# Altium PCB PCB1.PcbDoc (part 4 of 5) (continued)
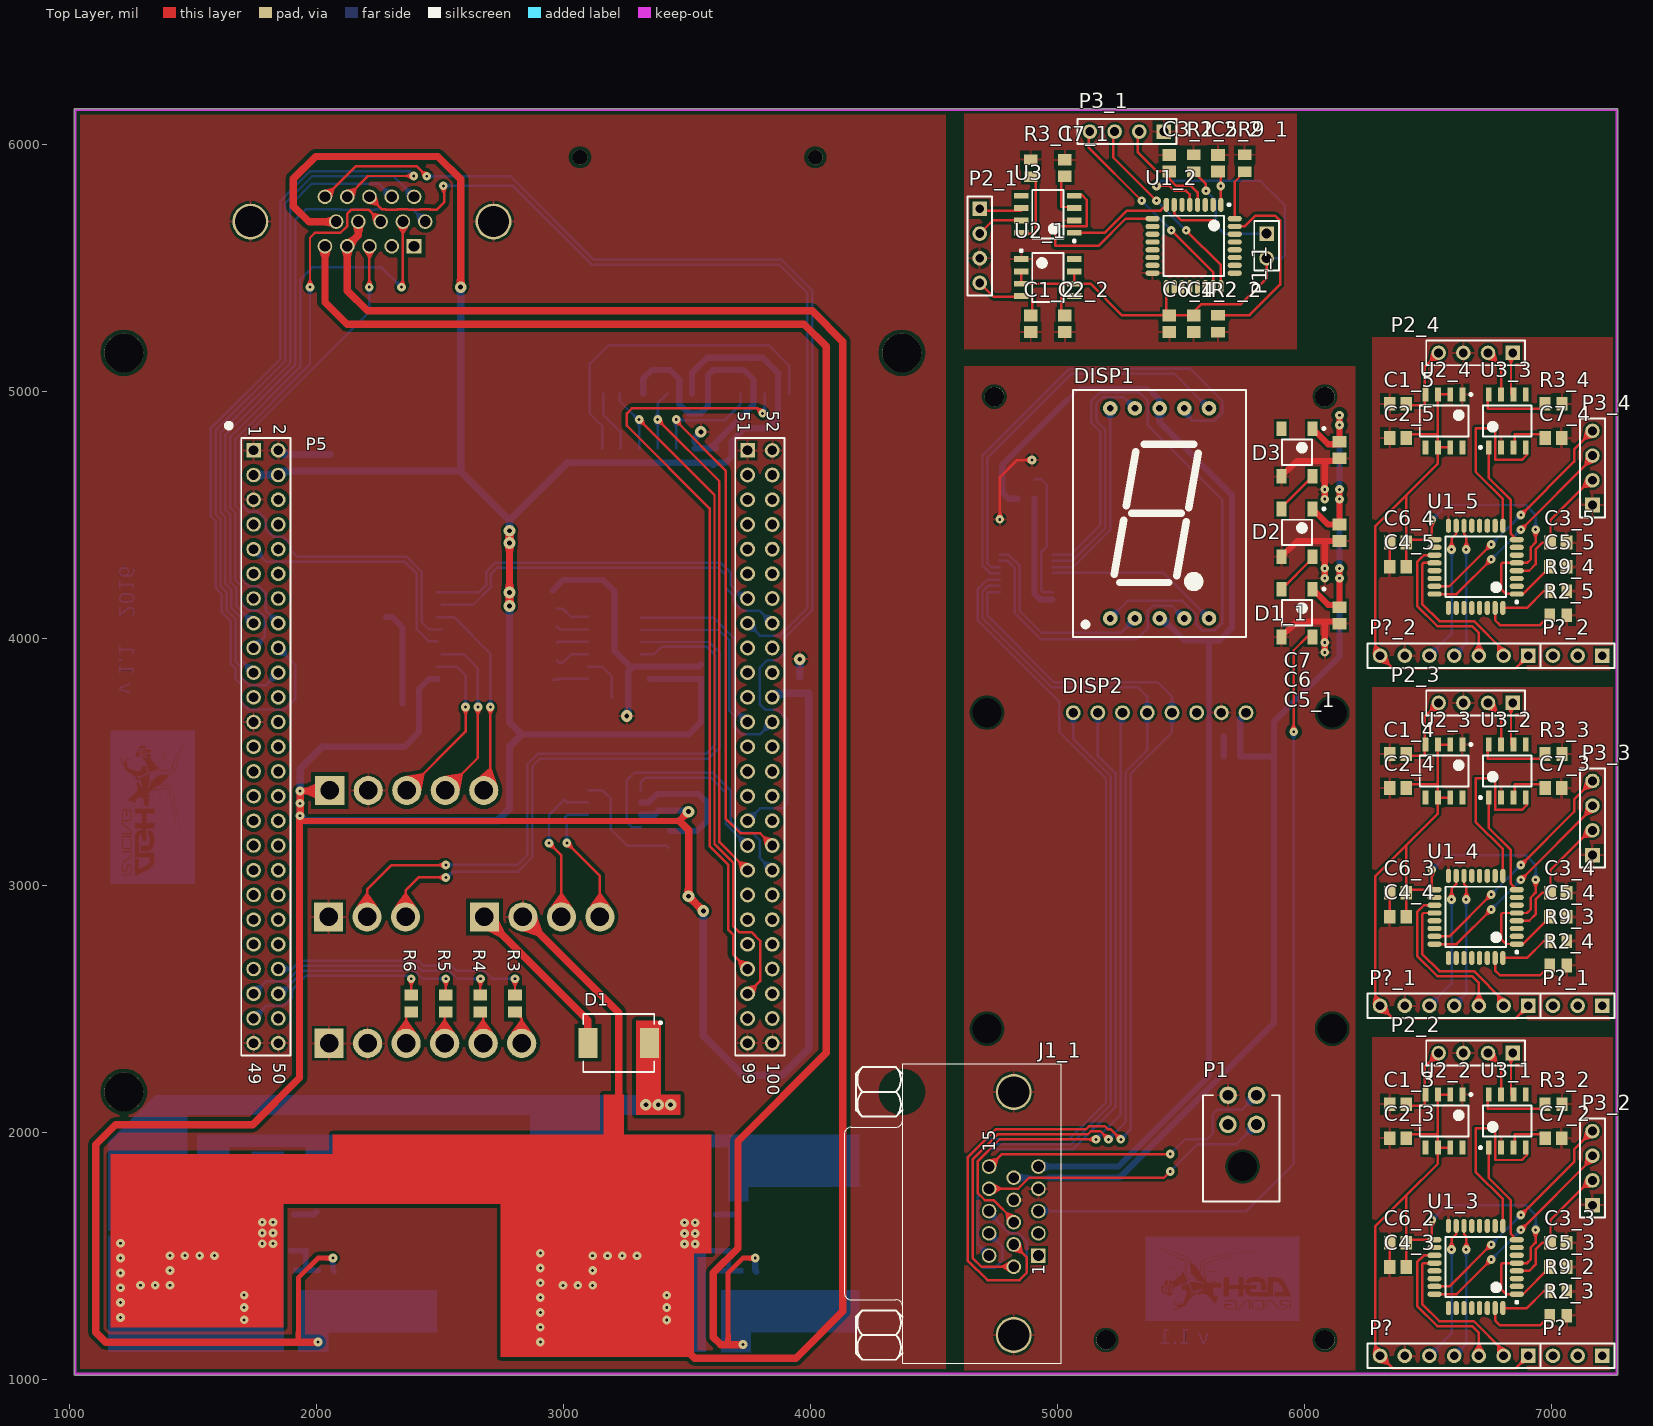
[diagram p0: Top Layer view]
## Nets (pads, with @x,y where several pads share a name; then routed paths per layer and width w, separated by ;. In a path a pad name is that pad's centre, name@x,y a point inside that pad or via, vN(x,y) a via of type N, cw(c..) or ccw(c..) an arc to the next point about the centre after c; other vN are vias at no path point) (continued)
5671.7,1401.62 ; 5622.7,1400.62 5636.7,1400.62 ; 5623.7,1399.62 5635.7,1399.62 ; 5623.7,1437.62 5638.7,1437.62 ; 5623.7,1477.62 5978.7,1477.62 ; 5624.7,1317.62 5627.7,1317.62 ; 5624.7,1397.62 5634.7,1397.62 ; 5624.7,1398.62 5635.7,1398.62 ; 5624.7,1493.62 5661.7,1493.62 ; 5626.7,1396.62 5632.7,1396.62 ; 5626.7,1478.62 5978.7,1478.62 ; 5627.7,1395.62 5628.7,1395.62 ; 5627.7,1494.62 5665.7,1494.62 ; 5629.7,1355.62 5671.7,1355.62 ; 5629.7,1356.62 5671.7,1356.62 ; 5629.7,1357.62 5671.7,1357.62 ; 5629.7,1358.62 5671.7,1358.62 ; 5629.7,1359.62 5671.7,1359.62 ; 5629.7,1360.62 5671.7,1360.62 ; 5629.7,1361.62 5671.7,1361.62 ; 5629.7,1362.62 5671.7,1362.62 ; 5629.7,1363.62 5671.7,1363.62 ; 5629.7,1479.62 5978.7,1479.62 ; 5630.7,1353.62 5671.7,1353.62 ; 5630.7,1354.62 5671.7,1354.62 ; 5630.7,1364.62 5671.7,1364.62 ; 5630.7,1365.62 5651.7,1365.62 ; 5630.7,1366.62 5650.7,1366.62 ; 5631.7,1351.62 5671.7,1351.62 ; 5631.7,1352.62 5671.7,1352.62 ; 5631.7,1367.62 5650.7,1367.62 ; 5631.7,1388.62 5635.7,1388.62 ; 5631.7,1389.62 5633.7,1389.62 ; 5631.7,1390.62 5632.7,1390.62 ; 5631.7,1495.62 5670.7,1495.62 ; 5632.7,1349.62 5671.7,1349.62 ; 5632.7,1350.62 5671.7,1350.62 ; 5632.7,1368.62 5650.7,1368.62 ; 5632.7,1369.62 5650.7,1369.62 ; 5633.7,1348.62 5671.7,1348.62 ; 5633.7,1370.62 5650.7,1370.62 ; 5633.7,1442.62 5978.7,1442.62 ; 5633.7,1480.62 5978.7,1480.62 ; 5634.7,1346.62 5671.7,1346.62 ; 5634.7,1347.62 5671.7,1347.62 ; 5635.7,1344.62 5645.7,1344.62 ; 5635.7,1345.62 5671.7,1345.62 ; 5635.7,1371.62 5650.7,1371.62 ; 5635.7,1496.62 5675.7,1496.62 ; 5636.7,1342.62 5643.7,1342.62 ; 5636.7,1343.62 5644.7,1343.62 ; 5636.7,1481.62 5978.7,1481.62 ; 5637.7,1313.62 5638.7,1313.62 ; 5637.7,1341.62 5643.7,1341.62 ; 5637.7,1372.62 5650.7,1372.62 ; 5638.7,1307.62 5642.7,1307.62 ; 5638.7,1308.62 5641.7,1308.62 ; 5638.7,1309.62 5640.7,1309.62 ; 5638.7,1310.62 5640.7,1310.62 ; 5638.7,1311.62 5639.7,1311.62 ; 5638.7,1340.62 5642.7,1340.62 ; 5639.7,1302.62 5673.7,1302.62 ; 5639.7,1303.62 5673.7,1303.62 ; 5639.7,1304.62 5673.7,1304.62 ; 5639.7,1305.62 5646.7,1305.62 ; 5639.7,1306.62 5644.7,1306.62 ; 5639.7,1482.62 5978.7,1482.62 ; 5639.7,1497.62 5680.7,1497.62 ; 5640.7,1339.62 5642.7,1339.62 ; 5640.7,1398.62 5671.7,1398.62 ; 5640.7,1399.62 5671.7,1399.62 ; 5640.7,1400.62 5671.7,1400.62 ; 5641.7,1397.62 5671.7,1397.62 ; 5642.7,1396.62 5671.7,1396.62 ; 5643.7,1441.62 5978.7,1441.62 ; 5643.7,1483.62 5978.7,1483.62 ; 5644.7,1314.62 5673.7,1314.62 ; 5644.7,1315.62 5673.7,1315.62 ; 5644.7,1316.62 5674.7,1316.62 ; 5644.7,1317.62 5674.7,1317.62 ; 5644.7,1318.62 5675.7,1318.62 ; 5644.7,1319.62 5675.7,1319.62 ; 5644.7,1320.62 5676.7,1320.62 ; 5644.7,1321.62 5677.7,1321.62 ; 5644.7,1322.62 5678.7,1322.62 ; 5644.7,1323.62 5679.7,1323.62 ; 5644.7,1498.62 5686.7,1498.62 ; 5645.7,1311.62 5674.7,1311.62 ; 5645.7,1312.62 5673.7,1312.62 ; 5645.7,1313.62 5673.7,1313.62 ; 5645.7,1324.62 5681.7,1324.62 ; 5645.7,1325.62 5978.7,1325.62 ; 5645.7,1373.62 5647.7,1373.62 ; 5646.7,1308.62 5673.7,1308.62 ; 5646.7,1309.62 5718.7,1309.62 ; 5646.7,1310.62 5675.7,1310.62 ; 5646.7,1326.62 5978.7,1326.62 ; 5647.7,1307.62 5673.7,1307.62 ; 5647.7,1343.62 5671.7,1343.62 ; 5647.7,1344.62 5671.7,1344.62 ; 5647.7,1484.62 5978.7,1484.62 ; 5648.7,1305.62 5673.7,1305.62 ; 5648.7,1306.62 5673.7,1306.62 ; 5648.7,1327.62 5978.7,1327.62 ; 5648.7,1395.62 5671.7,1395.62 ; 5648.7,1440.62 5978.7,1440.62 ; 5648.7,1499.62 5691.7,1499.62 ; 5649.7,1328.62 5978.7,1328.62 ; 5649.7,1331.62 5978.7,1331.62 ; 5649.7,1332.62 5978.7,1332.62 ; 5649.7,1342.62 5671.7,1342.62 ; 5650.7,1333.62 5978.7,1333.62 ; 5650.7,1334.62 5978.7,1334.62 ; 5650.7,1335.62 5978.7,1335.62 ; 5650.7,1336.62 5671.7,1336.62 ; 5650.7,1337.62 5671.7,1337.62 ; 5650.7,1338.62 5671.7,1338.62 ; 5650.7,1339.62 5671.7,1339.62 ; 5650.7,1340.62 5671.7,1340.62 ; 5650.7,1341.62 5671.7,1341.62 ; 5650.7,1485.62 5978.7,1485.62 ; 5651.7,1329.62 5978.7,1329.62 ; 5651.7,1330.62 5978.7,1330.62 ; 5652.7,1439.62 5978.7,1439.62 ; 5653.7,1365.62 5671.7,1365.62 ; 5653.7,1366.62 5658.7,1366.62 ; 5653.7,1367.62 5658.7,1367.62 ; 5653.7,1368.62 5658.7,1368.62 ; 5653.7,1369.62 5658.7,1369.62 ; 5653.7,1500.62 5697.7,1500.62 ; 5654.7,1370.62 5657.7,1370.62 ; 5654.7,1371.62 5657.7,1371.62 ; 5654.7,1486.62 5978.7,1486.62 ; 5655.7,1372.62 5657.7,1372.62 ; 5656.7,1438.62 5978.7,1438.62 ; 5658.7,1437.62 5978.7,1437.62 ; 5658.7,1487.62 5978.7,1487.62 ; 5658.7,1501.62 5703.7,1501.62 ; 5660.7,1366.62 5671.7,1366.62 ; 5660.7,1367.62 5671.7,1367.62 ; 5660.7,1394.62 5671.7,1394.62 ; 5661.7,1368.62 5671.7,1368.62 ; 5661.7,1369.62 5671.7,1369.62 ; 5661.7,1370.62 5671.7,1370.62 ; 5661.7,1371.62 5671.7,1371.62 ; 5661.7,1436.62 5978.7,1436.62 ; 5662.7,1372.62 5671.7,1372.62 ; 5662.7,1373.62 5671.7,1373.62 ; 5662.7,1374.62 5671.7,1374.62 ; 5662.7,1393.62 5671.7,1393.62 ; 5663.7,1375.62 5671.7,1375.62 ; 5663.7,1376.62 5671.7,1376.62 ; 5663.7,1377.62 5671.7,1377.62 ; 5663.7,1392.62 5671.7,1392.62 ; 5663.7,1435.62 5978.7,1435.62 ; 5663.7,1488.62 5978.7,1488.62 ; 5663.7,1502.62 5710.7,1502.62 ; 5664.7,1378.62 5671.7,1378.62 ; 5664.7,1379.62 5671.7,1379.62 ; 5664.7,1380.62 5671.7,1380.62 ; 5664.7,1391.62 5671.7,1391.62 ; 5665.7,1381.62 5671.7,1381.62 ; 5665.7,1382.62 5671.7,1382.62 ; 5665.7,1383.62 5671.7,1383.62 ; 5665.7,1384.62 5671.7,1384.62 ; 5665.7,1385.62 5671.7,1385.62 ; 5665.7,1386.62 5671.7,1386.62 ; 5665.7,1387.62 5671.7,1387.62 ; 5665.7,1388.62 5671.7,1388.62 ; 5665.7,1389.62 5671.7,1389.62 ; 5665.7,1390.62 5671.7,1390.62 ; 5665.7,1434.62 5978.7,1434.62 ; 5667.7,1433.62 5978.7,1433.62 ; 5667.7,1489.62 5978.7,1489.62 ; 5668.7,1431.62 5978.7,1431.62 ; 5668.7,1432.62 5978.7,1432.62 ; 5668.7,1503.62 5716.7,1503.62 ; 5672.7,1490.62 5978.7,1490.62 ; 5674.7,1504.62 5724.7,1504.62 ; 5677.7,1491.62 5978.7,1491.62 ; 5680.7,1310.62 5718.7,1310.62 ; 5680.7,1505.62 5733.7,1505.62 ; 5681.7,1295.62 5718.7,1295.62 ; 5681.7,1296.62 5718.7,1296.62 ; 5681.7,1297.62 5718.7,1297.62 ; 5681.7,1298.62 5718.7,1298.62 ; 5681.7,1299.62 5718.7,1299.62 ; 5681.7,1300.62 5718.7,1300.62 ; 5681.7,1311.62 5718.7,1311.62 ; 5681.7,1312.62 5718.7,1312.62 ; 5681.7,1313.62 5718.7,1313.62 ; 5681.7,1314.62 5717.7,1314.62 ; 5682.7,1293.62 5718.7,1293.62 ; 5682.7,1294.62 5718.7,1294.62 ; 5682.7,1315.62 5717.7,1315.62 ; 5682.7,1316.62 5716.7,1316.62 ; 5683.7,1292.62 5718.7,1292.62 ; 5683.7,1317.62 5715.7,1317.62 ; 5683.7,1492.62 5978.7,1492.62 ; 5686.7,1506.62 5744.7,1506.62 ; 5688.7,1291.62 5718.7,1291.62 ; 5688.7,1493.62 5978.7,1493.62 ; 5692.7,1507.62 5978.7,1507.62 ; 5693.7,1494.62 5978.7,1494.62 ; 5694.7,1336.62 5731.7,1336.62 ; 5694.7,1337.62 5731.7,1337.62 ; 5694.7,1338.62 5731.7,1338.62 ; 5694.7,1339.62 5731.7,1339.62 ; 5694.7,1340.62 5731.7,1340.62 ; 5694.7,1341.62 5731.7,1341.62 ; 5694.7,1342.62 5731.7,1342.62 ; 5694.7,1343.62 5731.7,1343.62 ; 5694.7,1344.62 5731.7,1344.62 ; 5694.7,1345.62 5731.7,1345.62 ; 5694.7,1346.62 5731.7,1346.62 ; 5694.7,1347.62 5731.7,1347.62 ; 5694.7,1348.62 5731.7,1348.62 ; 5694.7,1349.62 5731.7,1349.62 ; 5694.7,1350.62 5731.7,1350.62 ; 5694.7,1351.62 5731.7,1351.62 ; 5694.7,1352.62 5731.7,1352.62 ; 5694.7,1353.62 5731.7,1353.62 ; 5694.7,1354.62 5731.7,1354.62 ; 5694.7,1355.62 5731.7,1355.62 ; 5694.7,1356.62 5731.7,1356.62 ; 5694.7,1357.62 5731.7,1357.62 ; 5694.7,1358.62 5731.7,1358.62 ; 5694.7,1359.62 5731.7,1359.62 ; 5694.7,1360.62 5731.7,1360.62 ; 5694.7,1361.62 5731.7,1361.62 ; 5694.7,1362.62 5731.7,1362.62 ; 5694.7,1363.62 5731.7,1363.62 ; 5694.7,1364.62 5731.7,1364.62 ; 5694.7,1365.62 5731.7,1365.62 ; 5694.7,1387.62 5731.7,1387.62 ; 5694.7,1388.62 5731.7,1388.62 ; 5694.7,1389.62 5731.7,1389.62 ; 5694.7,1390.62 5731.7,1390.62 ; 5694.7,1391.62 5731.7,1391.62 ; 5694.7,1392.62 5731.7,1392.62 ; 5694.7,1393.62 5731.7,1393.62 ; 5694.7,1394.62 5731.7,1394.62 ; 5694.7,1395.62 5731.7,1395.62 ; 5694.7,1396.62 5731.7,1396.62 ; 5694.7,1397.62 5731.7,1397.62 ; 5694.7,1398.62 5731.7,1398.62 ; 5694.7,1399.62 5731.7,1399.62 ; 5694.7,1400.62 5731.7,1400.62 ; 5694.7,1401.62 5731.7,1401.62 ; 5694.7,1402.62 5731.7,1402.62 ; 5694.7,1403.62 5731.7,1403.62 ; 5694.7,1404.62 5731.7,1404.62 ; 5694.7,1405.62 5731.7,1405.62 ; 5694.7,1406.62 5731.7,1406.62 ; 5694.7,1407.62 5731.7,1407.62 ; 5694.7,1408.62 5731.7,1408.62 ; 5694.7,1409.62 5731.7,1409.62 ; 5694.7,1410.62 5731.7,1410.62 ; 5694.7,1411.62 5731.7,1411.62 ; 5694.7,1412.62 5731.7,1412.62 ; 5694.7,1413.62 5731.7,1413.62 ; 5694.7,1414.62 5731.7,1414.62 ; 5694.7,1415.62 5731.7,1415.62 ; 5694.7,1416.62 5731.7,1416.62 ; 5694.7,1417.62 5733.7,1417.62 ; 5698.7,1495.62 5978.7,1495.62 ; 5698.7,1508.62 5978.7,1508.62 ; 5703.7,1308.62 5718.7,1308.62 ; 5704.7,1301.62 5718.7,1301.62 ; 5704.7,1496.62 5978.7,1496.62 ; 5705.7,1307.62 5718.7,1307.62 ; 5705.7,1509.62 5978.7,1509.62 ; 5706.7,1302.62 5718.7,1302.62 ; 5706.7,1303.62 5718.7,1303.62 ; 5706.7,1304.62 5718.7,1304.62 ; 5706.7,1305.62 5718.7,1305.62 ; 5706.7,1306.62 5718.7,1306.62 ; 5709.7,1497.62 5978.7,1497.62 ; 5713.7,1284.62 5718.7,1284.62 ; 5713.7,1510.62 5978.7,1510.62 ; 5714.7,1498.62 5978.7,1498.62 ; 5715.7,1285.62 5718.7,1285.62 ; 5715.7,1289.62 5718.7,1289.62 ; 5715.7,1290.62 5718.7,1290.62 ; 5716.7,1286.62 5718.7,1286.62 ; 5716.7,1287.62 5718.7,1287.62 ; 5716.7,1288.62 5718.7,1288.62 ; 5717.7,1324.62 5760.7,1324.62 ; 5719.7,1323.62 5759.7,1323.62 ; 5720.7,1499.62 5978.7,1499.62 ; 5721.7,1322.62 5757.7,1322.62 ; 5721.7,1511.62 5978.7,1511.62 ; 5722.7,1321.62 5756.7,1321.62 ; 5723.7,1319.62 5754.7,1319.62 ; 5723.7,1320.62 5755.7,1320.62 ; 5724.7,1318.62 5753.7,1318.62 ; 5725.7,1291.62 5730.7,1291.62 ; 5725.7,1292.62 5733.7,1292.62 ; 5725.7,1312.62 5749.7,1312.62 ; 5725.7,1313.62 5749.7,1313.62 ; 5725.7,1314.62 5750.7,1314.62 ; 5725.7,1315.62 5751.7,1315.62 ; 5725.7,1316.62 5752.7,1316.62 ; 5725.7,1317.62 5752.7,1317.62 ; 5725.7,1500.62 5978.7,1500.62 ; 5726.7,1293.62 5735.7,1293.62 ; 5726.7,1294.62 5736.7,1294.62 ; 5726.7,1295.62 5737.7,1295.62 ; 5726.7,1296.62 5738.7,1296.62 ; 5726.7,1297.62 5739.7,1297.62 ; 5726.7,1298.62 5739.7,1298.62 ; 5726.7,1299.62 5740.7,1299.62 ; 5726.7,1300.62 5741.7,1300.62 ; 5726.7,1301.62 5741.7,1301.62 ; 5726.7,1302.62 5742.7,1302.62 ; 5726.7,1303.62 5743.7,1303.62 ; 5726.7,1304.62 5743.7,1304.62 ; 5726.7,1305.62 5744.7,1305.62 ; 5726.7,1306.62 5745.7,1306.62 ; 5726.7,1307.62 5745.7,1307.62 ; 5726.7,1308.62 5746.7,1308.62 ; 5726.7,1309.62 5747.7,1309.62 ; 5726.7,1310.62 5747.7,1310.62 ; 5726.7,1311.62 5748.7,1311.62 ; 5730.7,1512.62 5842.7,1512.62 ; 5731.7,1501.62 5978.7,1501.62 ; 5733.7,1284.62 5774.7,1284.62 ; 5736.7,1285.62 5772.7,1285.62 ; 5737.7,1502.62 5978.7,1502.62 ; 5738.7,1286.62 5771.7,1286.62 ; 5739.7,1287.62 5771.7,1287.62 ; 5740.7,1288.62 5771.7,1288.62 ; 5741.7,1289.62 5771.7,1289.62 ; 5741.7,1513.62 5824.7,1513.62 ; 5742.7,1290.62 5771.7,1290.62 ; 5743.7,1291.62 5771.7,1291.62 ; 5743.7,1503.62 5978.7,1503.62 ; 5744.7,1292.62 5771.7,1292.62 ; 5745.7,1293.62 5771.7,1293.62 ; 5746.7,1294.62 5771.7,1294.62 ; 5746.7,1295.62 5771.7,1295.62 ; 5747.7,1296.62 5771.7,1296.62 ; 5748.7,1297.62 5771.7,1297.62 ; 5749.7,1298.62 5771.7,1298.62 ; 5749.7,1299.62 5771.7,1299.62 ; 5750.7,1300.62 5771.7,1300.62 ; 5751.7,1301.62 5771.7,1301.62 ; 5751.7,1302.62 5771.7,1302.62 ; 5751.7,1504.62 5978.7,1504.62 ; 5752.7,1303.62 5771.7,1303.62 ; 5753.7,1304.62 5771.7,1304.62 ; 5753.7,1305.62 5771.7,1305.62 ; 5754.7,1306.62 5771.7,1306.62 ; 5754.7,1307.62 5771.7,1307.62 ; 5754.7,1336.62 5782.7,1336.62 ; 5754.7,1337.62 5778.7,1337.62 ; 5754.7,1338.62 5776.7,1338.62 ; 5754.7,1339.62 5774.7,1339.62 ; 5754.7,1340.62 5772.7,1340.62 ; 5754.7,1341.62 5771.7,1341.62 ; 5754.7,1342.62 5769.7,1342.62 ; 5754.7,1343.62 5768.7,1343.62 ; 5754.7,1344.62 5767.7,1344.62 ; 5754.7,1345.62 5766.7,1345.62 ; 5754.7,1346.62 5765.7,1346.62 ; 5754.7,1347.62 5764.7,1347.62 ; 5754.7,1348.62 5763.7,1348.62 ; 5754.7,1349.62 5763.7,1349.62 ; 5754.7,1350.62 5762.7,1350.62 ; 5754.7,1351.62 5761.7,1351.62 ; 5754.7,1352.62 5761.7,1352.62 ; 5754.7,1353.62 5760.7,1353.62 ; 5754.7,1354.62 5760.7,1354.62 ; 5754.7,1355.62 5760.7,1355.62 ; 5754.7,1356.62 5759.7,1356.62 ; 5754.7,1357.62 5759.7,1357.62 ; 5754.7,1358.62 5759.7,1358.62 ; 5754.7,1359.62 5759.7,1359.62 ; 5754.7,1360.62 5759.7,1360.62 ; 5754.7,1361.62 5759.7,1361.62 ; 5754.7,1362.62 5758.7,1362.62 ; 5754.7,1363.62 5758.7,1363.62 ; 5754.7,1364.62 5758.7,1364.62 ; 5754.7,1365.62 5758.7,1365.62 ; 5754.7,1387.62 5822.7,1387.62 ; 5754.7,1388.62 5822.7,1388.62 ; 5754.7,1389.62 5822.7,1389.62 ; 5754.7,1390.62 5758.7,1390.62 ; 5754.7,1391.62 5758.7,1391.62 ; 5754.7,1392.62 5758.7,1392.62 ; 5754.7,1393.62 5758.7,1393.62 ; 5754.7,1394.62 5758.7,1394.62 ; 5754.7,1395.62 5759.7,1395.62 ; 5754.7,1396.62 5759.7,1396.62 ; 5754.7,1397.62 5759.7,1397.62 ; 5754.7,1398.62 5760.7,1398.62 ; 5754.7,1399.62 5760.7,1399.62 ; 5754.7,1400.62 5761.7,1400.62 ; 5754.7,1401.62 5761.7,1401.62 ; 5754.7,1402.62 5762.7,1402.62 ; 5754.7,1403.62 5762.7,1403.62 ; 5754.7,1404.62 5763.7,1404.62 ; 5754.7,1405.62 5764.7,1405.62 ; 5754.7,1406.62 5765.7,1406.62 ; 5754.7,1407.62 5766.7,1407.62 ; 5754.7,1408.62 5767.7,1408.62 ; 5754.7,1409.62 5768.7,1409.62 ; 5754.7,1410.62 5769.7,1410.62 ; 5754.7,1411.62 5771.7,1411.62 ; 5754.7,1412.62 5773.7,1412.62 ; 5754.7,1413.62 5774.7,1413.62 ; 5754.7,1414.62 5777.7,1414.62 ; 5754.7,1415.62 5779.7,1415.62 ; 5754.7,1416.62 5783.7,1416.62 ; 5754.7,1417.62 5790.7,1417.62 ; 5754.7,1514.62 5803.7,1514.62 ; 5755.7,1308.62 5771.7,1308.62 ; 5756.7,1309.62 5771.7,1309.62 ; 5757.7,1310.62 5771.7,1310.62 ; 5757.7,1311.62 5771.7,1311.62 ; 5758.7,1312.62 5771.7,1312.62 ; 5759.7,1313.62 5771.7,1313.62 ; 5760.7,1314.62 5771.7,1314.62 ; 5760.7,1505.62 5978.7,1505.62 ; 5760.7,1506.62 5978.7,1506.62 ; 5761.7,1315.62 5771.7,1315.62 ; 5762.7,1316.62 5771.7,1316.62 ; 5763.7,1317.62 5771.7,1317.62 ; 5776.7,1284.62 5786.7,1284.62 ; 5776.7,1519.62 5978.7,1519.62 ; 5778.7,1285.62 5784.7,1285.62 ; 5779.7,1286.62 5783.7,1286.62 ; 5779.7,1287.62 5783.7,1287.62 ; 5779.7,1288.62 5783.7,1288.62 ; 5779.7,1289.62 5783.7,1289.62 ; 5779.7,1290.62 5783.7,1290.62 ; 5779.7,1291.62 5783.7,1291.62 ; 5779.7,1292.62 5783.7,1292.62 ; 5779.7,1293.62 5783.7,1293.62 ; 5779.7,1294.62 5783.7,1294.62 ; 5779.7,1295.62 5783.7,1295.62 ; 5779.7,1296.62 5783.7,1296.62 ; 5779.7,1297.62 5783.7,1297.62 ; 5779.7,1298.62 5783.7,1298.62 ; 5779.7,1299.62 5783.7,1299.62 ; 5779.7,1300.62 5783.7,1300.62 ; 5779.7,1301.62 5783.7,1301.62 ; 5779.7,1302.62 5783.7,1302.62 ; 5779.7,1303.62 5783.7,1303.62 ; 5779.7,1304.62 5783.7,1304.62 ; 5779.7,1305.62 5783.7,1305.62 ; 5779.7,1306.62 5783.7,1306.62 ; 5779.7,1307.62 5783.7,1307.62 ; 5779.7,1308.62 5783.7,1308.62 ; 5779.7,1309.62 5783.7,1309.62 ; 5779.7,1310.62 5783.7,1310.62 ; 5779.7,1311.62 5783.7,1311.62 ; 5779.7,1312.62 5783.7,1312.62 ; 5779.7,1313.62 5783.7,1313.62 ; 5779.7,1314.62 5783.7,1314.62 ; 5779.7,1315.62 5783.7,1315.62 ; 5779.7,1316.62 5783.7,1316.62 ; 5779.7,1317.62 5783.7,1317.62 ; 5779.7,1318.62 5783.7,1318.62 ; 5779.7,1319.62 5783.7,1319.62 ; 5779.7,1320.62 5783.7,1320.62 ; 5779.7,1321.62 5783.7,1321.62 ; 5779.7,1322.62 5783.7,1322.62 ; 5779.7,1323.62 5783.7,1323.62 ; 5779.7,1324.62 5784.7,1324.62 ; 5781.7,1363.62 5822.7,1363.62 ; 5781.7,1364.62 5822.7,1364.62 ; 5781.7,1365.62 5822.7,1365.62 ; 5781.7,1390.62 5822.7,1390.62 ; 5782.7,1360.62 5822.7,1360.62 ; 5782.7,1361.62 5822.7,1361.62 ; 5782.7,1362.62 5822.7,1362.62 ; 5782.7,1391.62 5822.7,1391.62 ; 5782.7,1392.62 5821.7,1392.62 ; 5783.7,1359.62 5849.7,1359.62 ; 5783.7,1393.62 5820.7,1393.62 ; 5784.7,1358.62 5849.7,1358.62 ; 5784.7,1394.62 5819.7,1394.62 ; 5786.7,1357.62 5849.7,1357.62 ; 5786.7,1395.62 5818.7,1395.62 ; 5788.7,1284.62 5798.7,1284.62 ; 5790.7,1285.62 5796.7,1285.62 ; 5790.7,1324.62 5797.7,1324.62 ; 5791.7,1286.62 5795.7,1286.62 ; 5791.7,1287.62 5795.7,1287.62 ; 5791.7,1288.62 5795.7,1288.62 ; 5791.7,1289.62 5795.7,1289.62 ; 5791.7,1290.62 5796.7,1290.62 ; 5791.7,1291.62 5824.7,1291.62 ; 5791.7,1292.62 5829.7,1292.62 ; 5791.7,1293.62 5830.7,1293.62 ; 5791.7,1294.62 5831.7,1294.62 ; 5791.7,1295.62 5831.7,1295.62 ; 5791.7,1296.62 5831.7,1296.62 ; 5791.7,1297.62 5831.7,1297.62 ; 5791.7,1298.62 5831.7,1298.62 ; 5791.7,1299.62 5831.7,1299.62 ; 5791.7,1300.62 5831.7,1300.62 ; 5791.7,1301.62 5831.7,1301.62 ; 5791.7,1302.62 5831.7,1302.62 ; 5791.7,1303.62 5831.7,1303.62 ; 5791.7,1304.62 5831.7,1304.62 ; 5791.7,1305.62 5831.7,1305.62 ; 5791.7,1306.62 5831.7,1306.62 ; 5791.7,1307.62 5831.7,1307.62 ; 5791.7,1308.62 5831.7,1308.62 ; 5791.7,1309.62 5831.7,1309.62 ; 5791.7,1310.62 5831.7,1310.62 ; 5791.7,1311.62 5831.7,1311.62 ; 5791.7,1312.62 5831.7,1312.62 ; 5791.7,1313.62 5831.7,1313.62 ; 5791.7,1314.62 5831.7,1314.62 ; 5791.7,1315.62 5831.7,1315.62 ; 5791.7,1316.62 5830.7,1316.62 ; 5791.7,1317.62 5829.7,1317.62 ; 5791.7,1318.62 5797.7,1318.62 ; 5791.7,1319.62 5796.7,1319.62 ; 5791.7,1320.62 5795.7,1320.62 ; 5791.7,1321.62 5795.7,1321.62 ; 5791.7,1322.62 5795.7,1322.62 ; 5791.7,1323.62 5795.7,1323.62 ; 5805.7,1366.62 5822.7,1366.62 ; 5805.7,1367.62 5822.7,1367.62 ; 5805.7,1368.62 5822.7,1368.62 ; 5805.7,1369.62 5822.7,1369.62 ; 5805.7,1370.62 5822.7,1370.62 ; 5805.7,1371.62 5822.7,1371.62 ; 5805.7,1372.62 5822.7,1372.62 ; 5805.7,1373.62 5822.7,1373.62 ; 5805.7,1374.62 5822.7,1374.62 ; 5805.7,1375.62 5822.7,1375.62 ; 5805.7,1376.62 5822.7,1376.62 ; 5805.7,1377.62 5822.7,1377.62 ; 5805.7,1378.62 5822.7,1378.62 ; 5805.7,1379.62 5822.7,1379.62 ; 5805.7,1380.62 5822.7,1380.62 ; 5805.7,1381.62 5822.7,1381.62 ; 5805.7,1382.62 5822.7,1382.62 ; 5805.7,1383.62 5822.7,1383.62 ; 5805.7,1384.62 5822.7,1384.62 ; 5805.7,1385.62 5822.7,1385.62 ; 5805.7,1386.62 5822.7,1386.62 ; 5810.7,1518.62 5978.7,1518.62 ; 5814.7,1417.62 5851.7,1417.62 ; 5818.7,1517.62 5978.7,1517.62 ; 5821.7,1416.62 5849.7,1416.62 ; 5825.7,1415.62 5849.7,1415.62 ; 5827.7,1414.62 5849.7,1414.62 ; 5827.7,1516.62 5978.7,1516.62 ; 5828.7,1284.62 5846.7,1284.62 ; 5829.7,1413.62 5849.7,1413.62 ; 5831.7,1285.62 5844.7,1285.62 ; 5831.7,1324.62 5844.7,1324.62 ; 5831.7,1412.62 5849.7,1412.62 ; 5833.7,1286.62 5844.7,1286.62 ; 5833.7,1323.62 5844.7,1323.62 ; 5833.7,1411.62 5849.7,1411.62 ; 5834.7,1410.62 5849.7,1410.62 ; 5834.7,1515.62 5978.7,1515.62 ; 5835.7,1287.62 5844.7,1287.62 ; 5835.7,1322.62 5844.7,1322.62 ; 5835.7,1409.62 5849.7,1409.62 ; 5836.7,1288.62 5844.7,1288.62 ; 5836.7,1321.62 5844.7,1321.62 ; 5837.7,1289.62 5844.7,1289.62 ; 5837.7,1290.62 5844.7,1290.62 ; 5837.7,1319.62 5844.7,1319.62 ; 5837.7,1320.62 5844.7,1320.62 ; 5837.7,1408.62 5849.7,1408.62 ; 5838.7,1291.62 5844.7,1291.62 ; 5838.7,1292.62 5844.7,1292.62 ; 5838.7,1317.62 5844.7,1317.62 ; 5838.7,1318.62 5844.7,1318.62 ; 5838.7,1407.62 5849.7,1407.62 ; 5839.7,1293.62 5844.7,1293.62 ; 5839.7,1294.62 5844.7,1294.62 ; 5839.7,1295.62 5844.7,1295.62 ; 5839.7,1296.62 5844.7,1296.62 ; 5839.7,1297.62 5844.7,1297.62 ; 5839.7,1298.62 5844.7,1298.62 ; 5839.7,1299.62 5844.7,1299.62 ; 5839.7,1300.62 5844.7,1300.62 ; 5839.7,1301.62 5844.7,1301.62 ; 5839.7,1302.62 5844.7,1302.62 ; 5839.7,1303.62 5844.7,1303.62 ; 5839.7,1304.62 5844.7,1304.62 ; 5839.7,1305.62 5844.7,1305.62 ; 5839.7,1306.62 5844.7,1306.62 ; 5839.7,1307.62 5844.7,1307.62 ; 5839.7,1308.62 5844.7,1308.62 ; 5839.7,1309.62 5844.7,1309.62 ; 5839.7,1310.62 5844.7,1310.62 ; 5839.7,1311.62 5844.7,1311.62 ; 5839.7,1312.62 5844.7,1312.62 ; 5839.7,1313.62 5844.7,1313.62 ; 5839.7,1314.62 5844.7,1314.62 ; 5839.7,1315.62 5844.7,1315.62 ; 5839.7,1316.62 5844.7,1316.62 ; 5839.7,1405.62 5849.7,1405.62 ; 5839.7,1406.62 5849.7,1406.62 ; 5840.7,1404.62 5849.7,1404.62 ; 5841.7,1403.62 5849.7,1403.62 ; 5842.7,1401.62 5849.7,1401.62 ; 5842.7,1402.62 5849.7,1402.62 ; 5843.7,1399.62 5849.7,1399.62 ; 5843.7,1400.62 5849.7,1400.62 ; 5844.7,1396.62 5849.7,1396.62 ; 5844.7,1397.62 5849.7,1397.62 ; 5844.7,1398.62 5849.7,1398.62 ; 5845.7,1391.62 5849.7,1391.62 ; 5845.7,1392.62 5849.7,1392.62 ; 5845.7,1393.62 5849.7,1393.62 ; 5845.7,1394.62 5849.7,1394.62 ; 5845.7,1395.62 5849.7,1395.62 ; 5845.7,1512.62 5978.7,1512.62 ; 5845.7,1513.62 5978.7,1513.62 ; 5845.7,1514.62 5978.7,1514.62 ; 5846.7,1360.62 5849.7,1360.62 ; 5846.7,1361.62 5849.7,1361.62 ; 5846.7,1362.62 5849.7,1362.62 ; 5846.7,1363.62 5849.7,1363.62 ; 5846.7,1364.62 5849.7,1364.62 ; 5846.7,1365.62 5849.7,1365.62 ; 5846.7,1366.62 5849.7,1366.62 ; 5846.7,1367.62 5849.7,1367.62 ; 5846.7,1368.62 5849.7,1368.62 ; 5846.7,1369.62 5849.7,1369.62 ; 5846.7,1370.62 5849.7,1370.62 ; 5846.7,1371.62 5849.7,1371.62 ; 5846.7,1372.62 5849.7,1372.62 ; 5846.7,1373.62 5849.7,1373.62 ; 5846.7,1374.62 5849.7,1374.62 ; 5846.7,1375.62 5849.7,1375.62 ; 5846.7,1376.62 5849.7,1376.62 ; 5846.7,1377.62 5849.7,1377.62 ; 5846.7,1378.62 5849.7,1378.62 ; 5846.7,1379.62 5849.7,1379.62 ; 5846.7,1380.62 5849.7,1380.62 ; 5846.7,1381.62 5849.7,1381.62 ; 5846.7,1382.62 5849.7,1382.62 ; 5846.7,1383.62 5849.7,1383.62 ; 5846.7,1384.62 5849.7,1384.62 ; 5846.7,1385.62 5849.7,1385.62 ; 5846.7,1386.62 5849.7,1386.62 ; 5846.7,1387.62 5849.7,1387.62 ; 5846.7,1388.62 5849.7,1388.62 ; 5846.7,1389.62 5849.7,1389.62 ; 5846.7,1390.62 5849.7,1390.62 ; 5848.7,1284.62 5895.7,1284.62 ; 5850.7,1285.62 5892.7,1285.62 ; 5851.7,1286.62 5890.7,1286.62 ; 5851.7,1287.62 5889.7,1287.62 ; 5851.7,1288.62 5887.7,1288.62 ; 5851.7,1289.62 5886.7,1289.62 ; 5851.7,1290.62 5885.7,1290.62 ; 5851.7,1291.62 5884.7,1291.62 ; 5851.7,1292.62 5884.7,1292.62 ; 5851.7,1293.62 5883.7,1293.62 ; 5851.7,1294.62 5882.7,1294.62 ; 5851.7,1295.62 5881.7,1295.62 ; 5851.7,1296.62 5881.7,1296.62 ; 5851.7,1297.62 5880.7,1297.62 ; 5851.7,1298.62 5879.7,1298.62 ; 5851.7,1299.62 5879.7,1299.62 ; 5851.7,1300.62 5878.7,1300.62 ; 5851.7,1301.62 5878.7,1301.62 ; 5851.7,1302.62 5877.7,1302.62 ; 5851.7,1303.62 5876.7,1303.62 ; 5851.7,1304.62 5876.7,1304.62 ; 5851.7,1305.62 5875.7,1305.62 ; 5851.7,1306.62 5875.7,1306.62 ; 5851.7,1307.62 5874.7,1307.62 ; 5851.7,1308.62 5873.7,1308.62 ; 5851.7,1309.62 5873.7,1309.62 ; 5851.7,1310.62 5872.7,1310.62 ; 5851.7,1311.62 5871.7,1311.62 ; 5851.7,1312.62 5871.7,1312.62 ; 5851.7,1313.62 5870.7,1313.62 ; 5851.7,1314.62 5869.7,1314.62 ; 5851.7,1315.62 5868.7,1315.62 ; 5851.7,1316.62 5867.7,1316.62 ; 5851.7,1317.62 5865.7,1317.62 ; 5868.7,1324.62 5905.7,1324.62 ; 5870.7,1323.62 5903.7,1323.62 ; 5871.7,1322.62 5901.7,1322.62 ; 5873.7,1321.62 5900.7,1321.62 ; 5873.7,1336.62 5876.7,1336.62 ; 5873.7,1337.62 5876.7,1337.62 ; 5873.7,1338.62 5876.7,1338.62 ; 5873.7,1339.62 5876.7,1339.62 ; 5873.7,1340.62 5876.7,1340.62 ; 5873.7,1341.62 5876.7,1341.62 ; 5873.7,1342.62 5876.7,1342.62 ; 5873.7,1343.62 5876.7,1343.62 ; 5873.7,1344.62 5876.7,1344.62 ; 5873.7,1345.62 5876.7,1345.62 ; 5873.7,1346.62 5876.7,1346.62 ; 5873.7,1347.62 5876.7,1347.62 ; 5873.7,1348.62 5876.7,1348.62 ; 5873.7,1349.62 5876.7,1349.62 ; 5873.7,1350.62 5876.7,1350.62 ; 5873.7,1351.62 5876.7,1351.62 ; 5873.7,1352.62 5876.7,1352.62 ; 5873.7,1353.62 5876.7,1353.62 ; 5873.7,1354.62 5876.7,1354.62 ; 5873.7,1355.62 5876.7,1355.62 ; 5873.7,1356.62 5876.7,1356.62 ; 5873.7,1357.62 5914.7,1357.62 ; 5873.7,1358.62 5913.7,1358.62 ; 5873.7,1359.62 5913.7,1359.62 ; 5873.7,1360.62 5912.7,1360.62 ; 5873.7,1361.62 5912.7,1361.62 ; 5873.7,1362.62 5912.7,1362.62 ; 5873.7,1363.62 5911.7,1363.62 ; 5873.7,1364.62 5911.7,1364.62 ; 5873.7,1365.62 5910.7,1365.62 ; 5873.7,1366.62 5910.7,1366.62 ; 5873.7,1367.62 5909.7,1367.62 ; 5873.7,1368.62 5909.7,1368.62 ; 5873.7,1369.62 5908.7,1369.62 ; 5873.7,1370.62 5908.7,1370.62 ; 5873.7,1371.62 5907.7,1371.62 ; 5873.7,1372.62 5907.7,1372.62 ; 5873.7,1373.62 5906.7,1373.62 ; 5873.7,1374.62 5906.7,1374.62 ; 5873.7,1375.62 5905.7,1375.62 ; 5873.7,1376.62 5905.7,1376.62 ; 5873.7,1377.62 5904.7,1377.62 ; 5873.7,1378.62 5904.7,1378.62 ; 5873.7,1379.62 5903.7,1379.62 ; 5873.7,1380.62 5903.7,1380.62 ; 5873.7,1381.62 5902.7,1381.62 ; 5873.7,1382.62 5902.7,1382.62 ; 5873.7,1383.62 5901.7,1383.62 ; 5873.7,1384.62 5901.7,1384.62 ; 5873.7,1385.62 5900.7,1385.62 ; 5873.7,1386.62 5900.7,1386.62 ; 5873.7,1387.62 5899.7,1387.62 ; 5873.7,1388.62 5898.7,1388.62 ; 5873.7,1389.62 5897.7,1389.62 ; 5873.7,1390.62 5897.7,1390.62 ; 5873.7,1391.62 5896.7,1391.62 ; 5873.7,1392.62 5894.7,1392.62 ; 5873.7,1393.62 5893.7,1393.62 ; 5873.7,1394.62 5891.7,1394.62 ; 5873.7,1395.62 5889.7,1395.62 ; 5874.7,1320.62 5899.7,1320.62 ; 5875.7,1319.62 5899.7,1319.62 ; 5876.7,1317.62 5898.7,1317.62 ; 5876.7,1318.62 5898.7,1318.62 ; 5877.7,1316.62 5897.7,1316.62 ; 5878.7,1315.62 5897.7,1315.62 ; 5879.7,1313.62 5897.7,1313.62 ; 5879.7,1314.62 5897.7,1314.62 ; 5880.7,1312.62 5897.7,1312.62 ; 5881.7,1310.62 5897.7,1310.62 ; 5881.7,1311.62 5897.7,1311.62 ; 5881.7,1417.62 5978.7,1417.62 ; 5882.7,1308.62 5898.7,1308.62 ; 5882.7,1309.62 5898.7,1309.62 ; 5883.7,1307.62 5899.7,1307.62 ; 5884.7,1305.62 5900.7,1305.62 ; 5884.7,1306.62 5899.7,1306.62 ; 5885.7,1303.62 5903.7,1303.62 ; 5885.7,1304.62 5901.7,1304.62 ; 5886.7,1302.62 5905.7,1302.62 ; 5887.7,1300.62 5922.7,1300.62 ; 5887.7,1301.62 5909.7,1301.62 ; 5888.7,1299.62 5924.7,1299.62 ; 5889.7,1297.62 5925.7,1297.62 ; 5889.7,1298.62 5925.7,1298.62 ; 5890.7,1296.62 5925.7,1296.62 ; 5891.7,1295.62 5925.7,1295.62 ; 5892.7,1294.62 5925.7,1294.62 ; 5893.7,1293.62 5924.7,1293.62 ; 5894.7,1292.62 5923.7,1292.62 ; 5894.7,1416.62 5978.7,1416.62 ; 5896.7,1415.62 5978.7,1415.62 ; 5897.7,1291.62 5920.7,1291.62 ; 5898.7,1414.62 5978.7,1414.62 ; 5901.7,1413.62 5978.7,1413.62 ; 5903.7,1412.62 5978.7,1412.62 ; 5905.7,1311.62 5938.7,1311.62 ; 5905.7,1312.62 5938.7,1312.62 ; 5905.7,1313.62 5938.7,1313.62 ; 5905.7,1314.62 5938.7,1314.62 ; 5905.7,1315.62 5938.7,1315.62 ; 5905.7,1411.62 5978.7,1411.62 ; 5906.7,1310.62 5939.7,1310.62 ; 5906.7,1316.62 5937.7,1316.62 ; 5907.7,1317.62 5936.7,1317.62 ; 5907.7,1410.62 5978.7,1410.62 ; 5908.7,1309.62 5939.7,1309.62 ; 5908.7,1409.62 5978.7,1409.62 ; 5910.7,1408.62 5978.7,1408.62 ; 5911.7,1407.62 5978.7,1407.62 ; 5912.7,1406.62 5978.7,1406.62 ; 5913.7,1405.62 5978.7,1405.62 ; 5914.7,1404.62 5978.7,1404.62 ; 5915.7,1403.62 5978.7,1403.62 ; 5916.7,1308.62 5939.7,1308.62 ; 5916.7,1402.62 5978.7,1402.62 ; 5917.7,1400.62 5978.7,1400.62 ; 5917.7,1401.62 5978.7,1401.62 ; 5918.7,1399.62 5978.7,1399.62 ; 5919.7,1397.62 5978.7,1397.62 ; 5919.7,1398.62 5978.7,1398.62 ; 5920.7,1396.62 5978.7,1396.62 ; 5921.7,1394.62 5978.7,1394.62 ; 5921.7,1395.62 5978.7,1395.62 ; 5922.7,1284.62 5941.7,1284.62 ; 5922.7,1392.62 5978.7,1392.62 ; 5922.7,1393.62 5978.7,1393.62 ; 5923.7,1390.62 5978.7,1390.62 ; 5923.7,1391.62 5978.7,1391.62 ; 5924.7,1307.62 5939.7,1307.62 ; 5924.7,1388.62 5978.7,1388.62 ; 5924.7,1389.62 5978.7,1389.62 ; 5925.7,1285.62 5940.7,1285.62 ; 5925.7,1386.62 5978.7,1386.62 ; 5925.7,1387.62 5978.7,1387.62 ; 5926.7,1384.62 5978.7,1384.62 ; 5926.7,1385.62 5978.7,1385.62 ; 5927.7,1286.62 5939.7,1286.62 ; 5927.7,1306.62 5939.7,1306.62 ; 5927.7,1381.62 5978.7,1381.62 ; 5927.7,1382.62 5978.7,1382.62 ; 5927.7,1383.62 5978.7,1383.62 ; 5928.7,1287.62 5938.7,1287.62 ; 5928.7,1379.62 5978.7,1379.62 ; 5928.7,1380.62 5978.7,1380.62 ; 5929.7,1288.62 5938.7,1288.62 ; 5929.7,1305.62 5939.7,1305.62 ; 5929.7,1377.62 5978.7,1377.62 ; 5929.7,1378.62 5978.7,1378.62 ; 5930.7,1289.62 5938.7,1289.62 ; 5930.7,1304.62 5939.7,1304.62 ; 5930.7,1375.62 5978.7,1375.62 ; 5930.7,1376.62 5978.7,1376.62 ; 5931.7,1290.62 5938.7,1290.62 ; 5931.7,1303.62 5938.7,1303.62 ; 5931.7,1373.62 5978.7,1373.62 ; 5931.7,1374.62 5978.7,1374.62 ; 5932.7,1291.62 5938.7,1291.62 ; 5932.7,1292.62 5938.7,1292.62 ; 5932.7,1293.62 5938.7,1293.62 ; 5932.7,1300.62 5938.7,1300.62 ; 5932.7,1301.62 5938.7,1301.62 ; 5932.7,1302.62 5938.7,1302.62 ; 5932.7,1371.62 5978.7,1371.62 ; 5932.7,1372.62 5978.7,1372.62 ; 5933.7,1294.62 5938.7,1294.62 ; 5933.7,1295.62 5938.7,1295.62 ; 5933.7,1296.62 5938.7,1296.62 ; 5933.7,1297.62 5938.7,1297.62 ; 5933.7,1298.62 5938.7,1298.62 ; 5933.7,1299.62 5938.7,1299.62 ; 5933.7,1369.62 5978.7,1369.62 ; 5933.7,1370.62 5978.7,1370.62 ; 5934.7,1367.62 5978.7,1367.62 ; 5934.7,1368.62 5978.7,1368.62 ; 5935.7,1365.62 5978.7,1365.62 ; 5935.7,1366.62 5978.7,1366.62 ; 5936.7,1363.62 5978.7,1363.62 ; 5936.7,1364.62 5978.7,1364.62 ; 5937.7,1361.62 5978.7,1361.62 ; 5937.7,1362.62 5978.7,1362.62 ; 5938.7,1324.62 5978.7,1324.62 ; 5938.7,1359.62 5978.7,1359.62 ; 5938.7,1360.62 5978.7,1360.62